# Allegro board 1155001-Timing_board_V3_20241024_1805_pcb.brd (continued)
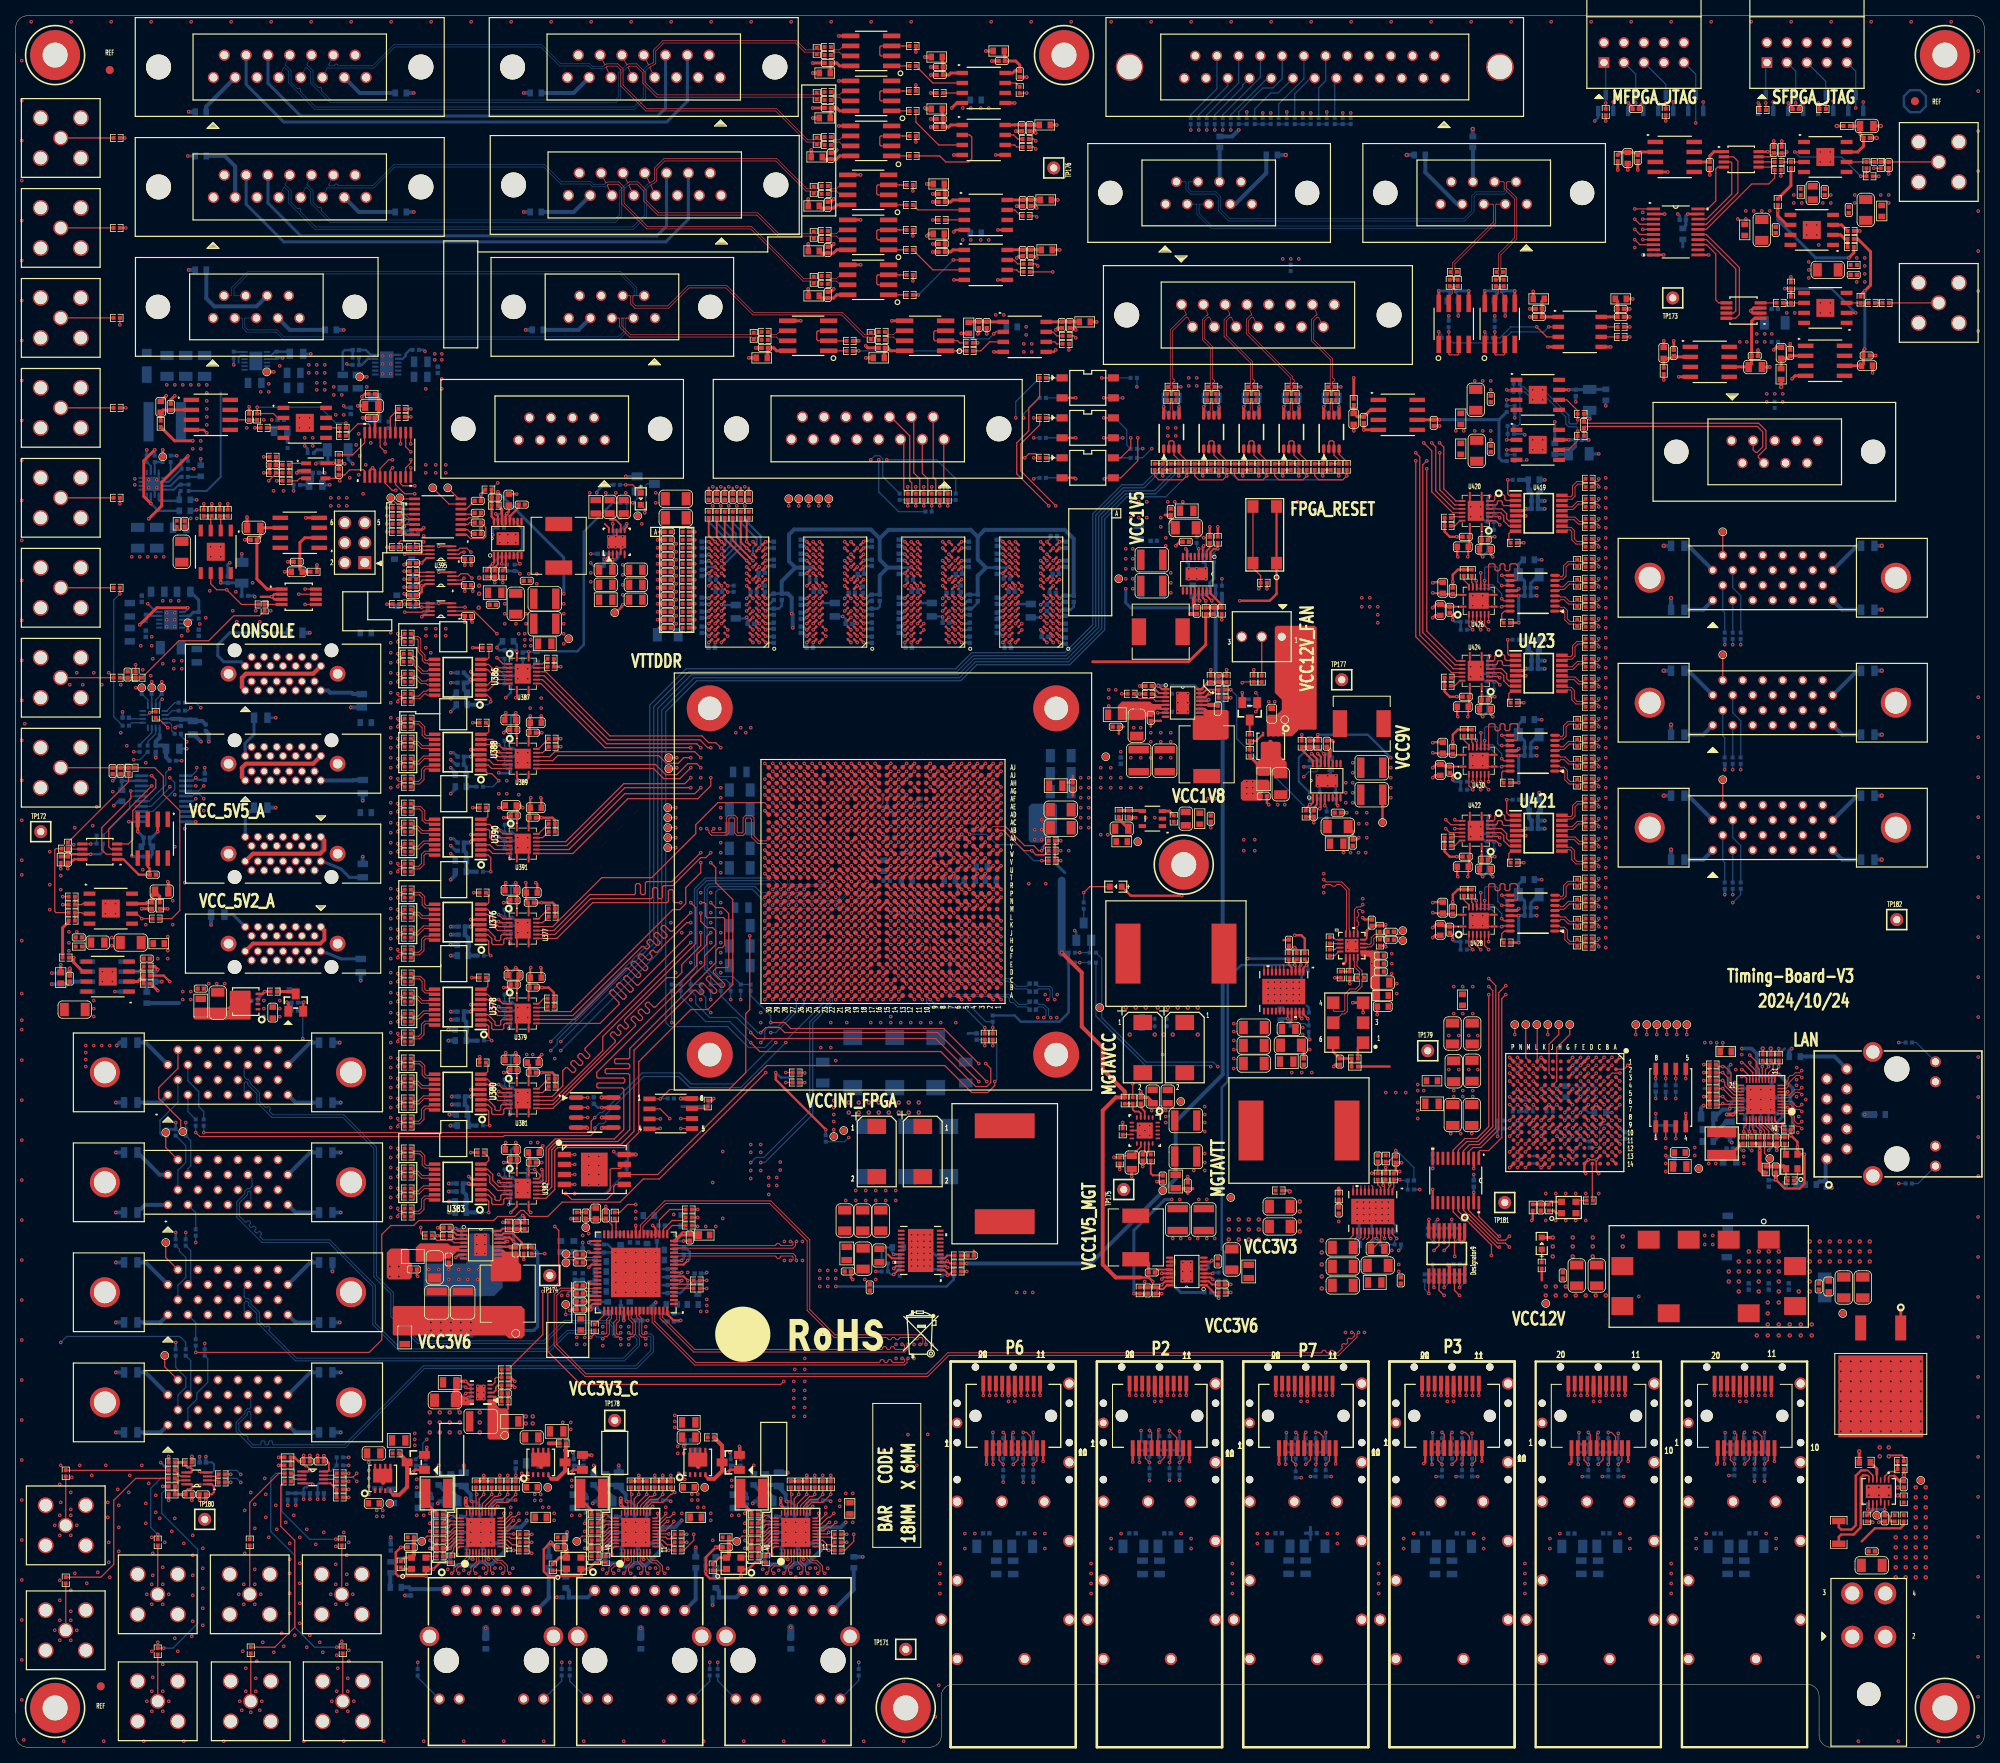
[diagram p0: board, top side]
## Routing (per net, layer and track width the routed paths; a pad name or vN(x,y) marks a point on that pad's centre or on a via; arc(x,y) is an arc through that point) (continued)
  ART10 w0.102: v1(100.14,114) 100.14,113.7 100.04,113.6 99.76,113.6 99.54,113.38 99.54,110.84 99.46,110.77 99.46,110.63 98.79,109.95 94.74,109.95
RF_FPS_TRIGGER_1_P: length 145.8
  TOP w0.122: U247.V25 v1(100.14,113)
  ART10 w0.099: 94.74,109.6 91.61,106.46 76.54,106.46 67.21,97.13 61.3,97.13 59.27,95.11 59.27,93.71 57.17,91.61 54.62,91.61 50.51,87.49 50.51,79.11 48.91,77.51 47.13,77.51 46.44,76.82 46.44,51.9 45.58,51.04 45.58,50.9 46.16,50.33 46.16,49.9 45.68,49.42 45.25,49.42 44.68,50 44.54,50 44.26,49.72 44.26,49.58 44.81,49.02 44.81,48.6 44.33,48.11 43.91,48.11 43.35,48.67 43.21,48.67 42.71,48.17 40.64,48.17 40.54,48.07 40.54,46.08 40.24,45.78 39.56,45.78 39.26,46.08 39.26,48.07 39.16,48.17 38.76,48.17 38.66,48.07 38.66,46.08 38.36,45.78 37.68,45.78 37.38,46.08 37.38,48.07 37.28,48.17 36.89,48.17 36.79,48.07 36.79,46.08 36.49,45.78 35.81,45.78 35.51,46.08 35.51,48.07 35.41,48.17 28.08,48.17 27.01,47.1 27.01,46.09 25.67,44.75 25.4,44.75 25.3,44.65 25.3,44.17 25.68,43.79 J62.6
  ART10 w0.102: v1(100.14,113) 100.14,113.3 100.04,113.4 99.84,113.4 99.74,113.3 99.74,110.84 99.81,110.77 99.81,110.48 98.93,109.6 94.74,109.6
RF_FPS_TRIGGER_2_N: length 121.3
  TOP w0.122: U247.N26 v1(100.14,107)
  ART08 w0.099: J73.19 25.68,74.24 25.08,73.65 25.08,73.42 25.31,73.19 25.54,73.19 26.67,74.32 26.67,75.21 27.5,76.03 28.98,76.03 arc(29.03,76.05) 29.05,76.1 arc(29.07,76.15) 29.11,76.16 29.38,76.16 arc(29.42,76.15) 29.44,76.1 arc(29.46,76.05) 29.51,76.03 29.78,76.03 arc(29.82,76.05) 29.84,76.1 arc(29.86,76.15) 29.9,76.16 30.17,76.16 arc(30.22,76.15) 30.24,76.1 arc(30.26,76.05) 30.3,76.03 34.98,76.03 35.28,75.74 35.28,74.4 35.4,74.27 35.77,74.27 35.87,74.37 35.87,75.74 36.17,76.03 36.85,76.03 37.15,75.74 37.15,74.4 37.28,74.27 37.65,74.27 37.75,74.37 37.75,75.74 38.05,76.03 38.75,76.03 40.27,74.51 41.83,74.51 41.93,74.61 41.93,76.03 42.23,76.33 42.91,76.33 43.21,76.03 43.21,74.61 43.31,74.51 43.71,74.51 43.81,74.61 43.81,76.03 44.11,76.33 44.79,76.33 45.09,76.03 45.09,74.61 45.19,74.51 48.94,74.51 49.04,74.61 49.04,76.03 49.34,76.33 50.02,76.33 50.32,76.03 50.32,74.61 50.42,74.51 50.82,74.51 50.91,74.61 50.91,76.03 51.21,76.33 51.89,76.33 52.19,76.03 52.19,74.61 52.29,74.51 54.59,74.51 61.24,81.15 65.05,81.15 65.79,81.89 65.79,84.07 74.55,92.84 88.41,92.84 88.77,93.2 88.77,97.03 90.42,98.68 90.42,100.22 90.72,100.52 90.88,100.52 90.97,100.62 90.97,101.02 90.88,101.12 90.72,101.12 90.42,101.42 90.42,102.29 90.72,102.59 90.88,102.59 90.97,102.68 90.97,103.08 90.88,103.18 90.72,103.18 90.42,103.48 90.42,104.37 92.73,106.68 94.5,106.68 94.58,106.6
  ART08 w0.102: v1(100.14,107) 100.43,107 100.54,106.9 100.54,106.7 100.43,106.6 94.58,106.6
RF_FPS_TRIGGER_2_P: length 121.6
  TOP w0.122: U247.N25 v1(101.14,107)
  ART08 w0.099: 94.58,106.4 94.52,106.34 92.88,106.34 90.77,104.23 90.77,103.62 90.87,103.52 91.02,103.52 91.32,103.22 91.32,102.54 91.02,102.24 90.87,102.24 90.77,102.14 90.77,101.56 90.87,101.46 91.02,101.46 91.32,101.16 91.32,100.48 91.02,100.18 90.87,100.18 90.77,100.08 90.77,98.54 89.12,96.89 89.12,93.06 88.55,92.49 74.69,92.49 66.13,83.93 66.13,81.75 65.19,80.81 61.38,80.81 54.74,74.17 52.15,74.17 51.85,74.47 51.85,75.89 51.75,75.98 51.36,75.98 51.26,75.89 51.26,74.47 50.96,74.17 50.28,74.17 49.98,74.47 49.98,75.89 49.88,75.98 49.48,75.98 49.38,75.89 49.38,74.47 49.08,74.17 45.04,74.17 44.74,74.47 44.74,75.89 44.64,75.98 44.25,75.98 44.15,75.89 44.15,74.47 43.85,74.17 43.17,74.17 42.87,74.47 42.87,75.89 42.77,75.98 42.37,75.98 42.27,75.89 42.27,74.47 41.98,74.17 40.13,74.17 38.61,75.69 38.19,75.69 38.09,75.59 38.09,74.23 37.79,73.93 37.13,73.93 36.81,74.25 36.81,75.59 36.71,75.69 36.31,75.69 36.21,75.59 36.21,74.23 35.92,73.93 35.26,73.93 34.93,74.25 34.93,75.59 34.84,75.69 27.64,75.69 27.01,75.07 27.01,74.18 25.68,72.84 25.42,72.84 25.3,72.72 25.3,71.93 25.68,71.55 J73.6
  ART08 w0.102: 94.58,106.4 100.52,106.4 100.74,106.62 100.74,106.9 100.84,107 v1(101.14,107)
RF_FPS_TRIGGER_3_N: length 101.6
  TOP w0.122: U247.AK30 v1(95.14,125)
  ART10 w0.099: v1(95.14,125) 95.37,125 95.47,124.9 95.47,124.53 92.44,121.5 88.12,121.5 86.85,120.23 74,120.23 66.17,112.39 63.52,112.39 57.77,106.64 56.37,106.64 52.05,102.32 46.06,102.32 40.48,96.75 40.48,96.32 41.37,95.43 41.37,95.29 41.09,95.01 40.95,95.01 40.06,95.9 39.64,95.9 39.16,95.42 39.16,94.99 40.05,94.11 40.05,93.97 39.76,93.69 39.62,93.69 38.74,94.57 38.31,94.57 37.83,94.09 37.83,93.67 38.72,92.78 38.72,92.64 38.44,92.36 38.3,92.36 37.41,93.25 36.99,93.25 36.5,92.77 36.5,92.34 37.39,91.45 37.39,91.31 37.11,91.03 36.97,91.03 36.08,91.92 35.66,91.92 35.31,91.57 29.21,91.57 28.32,90.68 28.18,90.68 28.09,90.78 27.95,90.78 27.81,90.64 27.81,90.5 27.9,90.4 27.9,90.26 27.76,90.12 27.62,90.12 27.53,90.22 27.39,90.22 27.25,90.08 27.25,89.94 27.34,89.84 27.34,89.7 26.8,89.15 26.8,88.27 25.53,87 25.4,87 25.3,87.1 25.3,87.63 25.68,88.01 J74.19
RF_FPS_TRIGGER_3_P: length 101.6
  TOP w0.122: U247.AK29 v1(96.14,125)
  ART10 w0.099: J74.6 25.68,85.52 25.3,85.9 25.3,86.56 25.4,86.66 25.67,86.66 27.14,88.12 27.14,89.01 29.35,91.22 35.45,91.22 35.8,91.58 35.94,91.58 36.83,90.69 37.25,90.69 37.74,91.17 37.74,91.6 36.85,92.48 36.85,92.62 37.13,92.9 37.27,92.9 38.16,92.02 38.58,92.02 39.06,92.5 39.06,92.92 38.17,93.81 38.17,93.95 38.45,94.23 38.59,94.23 39.48,93.34 39.91,93.34 40.39,93.82 40.39,94.25 39.5,95.14 39.5,95.28 39.78,95.56 39.92,95.56 40.81,94.67 41.23,94.67 41.71,95.15 41.71,95.57 40.83,96.46 40.83,96.6 46.21,101.98 52.2,101.98 56.52,106.3 57.91,106.3 63.67,112.05 66.31,112.05 74.15,119.89 87,119.89 88.27,121.16 92.58,121.16 95.81,124.39 95.81,124.9 95.91,125 v1(96.14,125)
RF_FPS_TRIGGER_4_N: length 125.3
  TOP w0.122: U247.L27 v1(98.14,105)
  ART08 w0.099: J94.19 25.27,60.26 25.27,58.98 25.37,58.88 25.62,58.88 25.74,59.01 25.74,59.42 26.92,60.6 26.92,61.66 28.98,63.72 51.96,63.72 52.32,64.08 52.32,65.91 53.47,67.06 55.78,67.06 56.54,67.82 58.19,67.82 63.5,73.13 63.92,73.13 64.53,72.52 64.67,72.52 64.95,72.8 64.95,72.94 64.34,73.55 64.34,73.97 66.17,75.79 66.59,75.79 67.49,74.9 67.63,74.9 68.56,75.83 68.56,75.97 67.48,77.05 67.48,77.47 67.96,77.95 68.38,77.95 69.46,76.87 69.6,76.87 69.88,77.15 69.88,77.29 68.8,78.37 68.8,78.8 69.29,79.28 69.71,79.28 70.03,78.96 70.17,78.96 70.45,79.24 70.45,79.38 70.13,79.7 70.13,80.12 70.61,80.6 71.04,80.6 71.35,80.29 71.49,80.29 72.07,80.86 88.28,80.86 93.27,85.85 93.27,87.41 96.84,90.97 96.84,94.08 97.14,94.38 98.2,94.38 98.49,94.08 98.49,91.58 98.59,91.48 98.99,91.48 99.09,91.58 99.09,94.08 99.39,94.38 100.08,94.38 100.18,94.48 100.28,94.48 100.29,94.5
  ART08 w0.102: 100.29,94.5 100.54,94.74 100.54,104.25 100.39,104.4 98.77,104.4 98.54,104.63 98.54,104.9 98.43,105 v1(98.14,105)
RF_FPS_TRIGGER_4_P: length 125.6
  TOP w0.122: U247.L26 v1(99.14,105)
  ART08 w0.099: J94.6 25.27,57.26 25.27,58.39 25.42,58.54 25.76,58.54 26.09,58.86 26.09,59.28 27.27,60.46 27.27,61.52 29.12,63.37 52.1,63.37 52.67,63.94 52.67,65.77 53.61,66.71 55.92,66.71 56.68,67.48 58.33,67.48 63.64,72.78 63.78,72.78 64.39,72.18 64.81,72.18 65.29,72.66 65.29,73.08 64.69,73.69 64.69,73.83 66.31,75.45 66.45,75.45 67.34,74.56 67.77,74.56 68.9,75.69 68.9,76.11 67.82,77.19 67.82,77.33 68.1,77.61 68.24,77.61 69.32,76.53 69.74,76.53 70.22,77.01 70.22,77.44 69.15,78.51 69.15,78.65 69.43,78.94 69.57,78.94 69.88,78.62 70.31,78.62 70.79,79.1 70.79,79.52 70.47,79.84 70.47,79.98 70.75,80.26 70.89,80.26 71.21,79.94 71.64,79.94 72.21,80.52 88.42,80.52 93.61,85.71 93.61,87.26 97.18,90.83 97.18,93.94 97.28,94.04 98.05,94.04 98.15,93.94 98.15,91.43 98.45,91.14 99.13,91.14 99.43,91.43 99.43,93.94 99.53,94.04 100.22,94.04 100.42,94.24 100.42,94.34 100.44,94.36
  ART08 w0.102: 100.44,94.36 100.74,94.66 100.74,104.37 100.5,104.6 98.85,104.6 98.74,104.71 98.74,104.9 98.84,105 v1(99.14,105)
RF_FPS_TRIGGER_5_N: length 31.5
  TOP w0.122: v1(201.04,145.92) 201.04,145.7 200.92,145.58 200.51,145.58 R3306.1
  ART08 w0.099: v1(201.04,145.92) 201.38,145.59 202.37,145.59 202.56,145.77 202.77,145.77 202.95,145.59 203.26,145.59 204.19,144.65 204.85,144.65 204.95,144.75 204.95,145.39 205.25,145.69 205.93,145.69 206.23,145.39 206.23,144.75 206.33,144.65 206.72,144.65 206.82,144.75 206.82,145.39 207.12,145.69 207.8,145.69 208.1,145.39 208.1,144.75 208.2,144.65 218.82,144.65 219.24,145.07 219.24,146.19 220.38,147.34 220.38,147.97 221.4,148.99 221.4,149.31 221.85,149.76 222.13,149.76 222.28,149.91 222.28,151.04 J112.19
RF_FPS_TRIGGER_5_P: length 31.5
  TOP w0.122: v1(201.04,144.91) 201.04,145.13 200.92,145.25 200.51,145.25 R3305.1
  ART08 w0.099: J112.6 222.28,148.04 222.28,149.32 222.18,149.42 222,149.42 221.74,149.17 221.74,148.84 220.73,147.83 220.73,147.19 219.58,146.05 219.58,144.93 218.96,144.31 208.06,144.31 207.76,144.61 207.76,145.25 207.66,145.35 207.26,145.35 207.17,145.25 207.17,144.61 206.87,144.31 206.18,144.31 205.89,144.61 205.89,145.25 205.79,145.35 205.39,145.35 205.29,145.25 205.29,144.61 204.99,144.31 204.05,144.31 203.12,145.24 201.38,145.24 v1(201.04,144.91)
RF_FPS_TRIGGER_5_P_S: length 8.1
  TOP w0.157: U425.14 189,145.65 v1(188.72,145.92) ; U426.12 v1(186.05,149.22)
  BOTTOM w0.157: v1(188.72,145.92) 188.72,146.56 187.58,147.7 186.44,147.7 186.05,148.09 v1(186.05,149.22)
RF_FPS_TRIGGER_5_P_S_C: length 162.5
  TOP w0.157: U247.AH24 v1(101.14,123) ; U426.5 v1(186.05,143)
  ART05 w0.117: v1(186.05,143) 185.21,143.84 182.04,143.84 180.34,145.54 177.78,145.54 177.67,145.66 177.67,146.06 177.55,146.18 177.32,146.18 177.2,146.06 177.2,145.15 177.08,145.03 176.85,145.03 176.73,145.15 176.73,146.44 176.61,146.56 176.38,146.56 176.26,146.44 176.26,145.15 176.15,145.03 175.91,145.03 175.8,145.15 175.8,146.44 175.68,146.56 167.39,146.56 156.72,157.23 138.43,157.23 136.64,159.02 129.59,159.02 128.76,158.18 85.72,158.18 83.06,155.52 83.06,154.03 82.55,153.53 82.55,139.68 85.73,136.5 91.95,136.5 101.73,126.73 101.73,123.98 101.14,123.39 v1(101.14,123)
RF_FPS_TRIGGER_6_N: length 36
  TOP w0.122: v1(201.04,105.28) 201.04,105.06 200.92,104.94 200.51,104.94 R3314.1
  ART08 w0.099: v1(201.04,105.28) 201.38,104.95 202.29,104.95 202.47,105.13 202.69,105.13 202.87,104.95 203.95,104.95 204.05,105.05 204.05,106.02 204.35,106.32 205.03,106.32 205.33,106.02 205.33,105.05 205.43,104.95 205.83,104.95 205.93,105.05 205.93,106.02 206.23,106.32 206.91,106.32 207.21,106.02 207.21,105.05 207.31,104.95 211.27,104.95 219.24,112.92 219.24,114.44 220.38,115.59 220.38,116.22 221.4,117.24 221.4,117.56 221.85,118.01 222.13,118.01 222.28,118.16 222.28,119.29 J113.19
RF_FPS_TRIGGER_6_P: length 36
  TOP w0.122: R3313.1 200.51,104.61 200.92,104.61 201.04,104.49 v1(201.04,104.27)
  ART08 w0.099: J113.6 222.28,116.29 222.28,117.57 222.18,117.67 222,117.67 221.74,117.42 221.74,117.09 220.73,116.08 220.73,115.44 219.58,114.3 219.58,112.78 211.41,104.6 207.16,104.6 206.86,104.9 206.86,105.88 206.76,105.98 206.37,105.98 206.27,105.88 206.27,104.9 205.97,104.6 205.29,104.6 204.99,104.9 204.99,105.88 204.89,105.98 204.49,105.98 204.39,105.88 204.39,104.9 204.09,104.6 201.38,104.6 v1(201.04,104.27)
RF_FPS_TRIGGER_6_P_S: length 8.1
  TOP w0.157: U427.14 189,105.01 v1(188.72,105.28) ; U428.12 v1(186.05,108.58)
  BOTTOM w0.157: v1(188.72,105.28) 188.72,105.92 187.58,107.06 186.31,107.06 186.05,107.32 v1(186.05,108.58)
RF_FPS_TRIGGER_6_P_S_C: length 192.9
  TOP w0.157: U428.5 v1(186.05,102.36)
  TOP w0.254: v1(100.14,121) U247.AF25
  ART03 w0.117: v1(100.14,121) 99.67,121.47 99.67,125.22 99.19,125.7 91.72,125.7 89.28,128.14 86.69,128.14 84.33,130.51 84.33,135.13 85.78,136.58 85.78,153.72 86,153.95 86.51,153.95 87.4,154.84 133.16,154.84 136.54,151.46 142.24,151.46 143.54,150.16 170.64,150.16 177.57,143.23 177.57,141.16 179.32,139.41 179.32,109.09 181.21,107.2 181.21,107.03 180.81,106.63 180.81,106.46 180.98,106.3 181.14,106.3 181.54,106.7 181.71,106.7 181.88,106.54 181.88,106.37 181.47,105.97 181.47,105.8 181.64,105.64 181.8,105.64 182.21,106.04 182.37,106.04 182.54,105.88 182.54,105.71 182.13,105.31 182.13,105.14 182.3,104.98 182.46,104.98 182.87,105.38 183.03,105.38 v1(186.05,102.36)
RF_FPS_TRIGGER_7_N: length 32.1
  TOP w0.122: v1(201.04,125.6) 201.04,125.38 200.92,125.26 200.51,125.26 R3322.1
  ART08 w0.099: J114.19 222.28,135.17 222.28,134.04 222.13,133.89 221.85,133.89 221.4,133.43 221.4,133.11 220.38,132.1 220.38,131.46 219.24,130.32 219.24,129.2 215.31,125.27 205.2,125.27 205.1,125.37 205.1,126.55 204.8,126.85 204.12,126.85 203.82,126.55 203.82,125.37 203.72,125.27 202.85,125.27 202.67,125.45 202.45,125.45 202.27,125.27 201.38,125.27 v1(201.04,125.6)
RF_FPS_TRIGGER_7_P: length 32
  TOP w0.122: v1(201.04,124.59) 201.04,124.81 200.92,124.93 200.51,124.93 R3321.1
  ART08 w0.099: J114.6 222.28,132.16 222.28,133.45 222.18,133.54 222,133.54 221.74,133.29 221.74,132.97 220.73,131.95 220.73,131.32 219.58,130.18 219.58,129.05 215.45,124.92 205.06,124.92 204.76,125.22 204.76,126.41 204.66,126.5 204.26,126.5 204.16,126.41 204.16,125.22 203.86,124.92 201.38,124.92 v1(201.04,124.59)
RF_FPS_TRIGGER_7_P_S: length 8.1
  TOP w0.157: U430.12 186.08,127.1 v1(186.08,128.9) ; U429.14 189,125.33 v1(188.72,125.6)
  BOTTOM w0.157: v1(186.08,128.9) 186.08,127.74 186.44,127.38 187.58,127.38 188.72,126.24 v1(188.72,125.6)
RF_FPS_TRIGGER_7_P_S_C: length 168
  TOP w0.157: U430.5 v1(186.05,122.68) ; U247.AJ21 v1(104.14,124)
  ART05 w0.117: v1(186.05,122.68) 183.13,125.6 183.13,126.55 183.02,126.67 182.23,126.67 182.12,126.78 182.12,127.02 182.23,127.14 183.02,127.14 183.13,127.25 183.13,129.54 182.76,129.92 182.59,129.92 182.37,129.7 182.21,129.7 182.04,129.87 182.04,130.03 182.26,130.25 182.26,130.41 157.1,155.57 138.56,155.57 135.97,158.17 130.35,158.17 129.06,156.88 85.81,156.88 84.07,155.14 84.07,153.8 83.44,153.16 83.44,140.07 86.03,137.48 92.19,137.48 103.63,126.04 103.63,124.51 v1(104.14,124)
RF_MOD_IN_ANALOG_S: length 29.3
  TOP w0.157: R3025.2 v1(13.23,180.72) ; R3026.2 v1(31.5,163.96)
  ART03 w0.117: v1(13.23,180.72) 13.23,176.51 21.21,168.53 26.92,168.53 v1(31.5,163.96)
RF_MOD_IN_FIXED_1_N: length 150.9
  TOP w0.122: U247.W22 v1(103.14,114)
  ART10 w0.099: 94.64,106.4 94.61,106.4 94.54,106.33 94.32,106.33 92,104.01 78.34,104.01 63.17,88.85 62.03,88.85 60.27,87.09 60.27,80.24 52.86,72.82 52.86,64.95 51.9,63.99 51.9,58.4 49.15,55.65 49.15,42.57 44.35,37.76 25.25,37.76 23.24,39.77 23.24,41.73 24.41,42.9 24.68,42.9 24.79,43.01 24.79,43.66 24.41,44.04 J62.18
  ART10 w0.102: 94.64,106.4 106.5,106.4 106.74,106.63 106.74,114.3 106.44,114.6 103.78,114.6 103.56,114.38 103.56,114.1 103.45,114 v1(103.14,114)
RF_MOD_IN_FIXED_1_P: length 151.1
  TOP w0.122: U247.W21 v1(104.14,114)
  ART10 w0.099: 94.64,106.6 94.58,106.6 94.51,106.67 94.17,106.67 91.86,104.36 78.19,104.36 63.03,89.19 61.89,89.19 59.93,87.24 59.93,80.38 52.51,72.96 52.51,65.09 51.56,64.14 51.56,58.55 48.81,55.79 48.81,42.71 44.2,38.11 29.29,38.11 29.19,38.21 29.19,38.44 29.09,38.54 28.89,38.54 28.79,38.44 28.79,38.21 28.7,38.11 28.5,38.11 28.4,38.21 28.4,38.46 28.3,38.56 28.1,38.56 28,38.46 28,38.21 27.9,38.11 27.7,38.11 27.61,38.21 27.61,38.46 27.51,38.56 27.31,38.56 27.21,38.46 27.21,38.21 27.11,38.11 26.91,38.11 26.81,38.21 26.81,38.46 26.71,38.56 26.52,38.56 26.42,38.46 26.42,38.21 26.32,38.11 25.39,38.11 23.58,39.92 23.58,41.59 24.55,42.56 24.69,42.56 24.79,42.46 24.79,41.94 24.41,41.55 J62.5
  ART10 w0.102: v1(104.14,114) 103.86,114 103.76,114.1 103.76,114.3 103.86,114.4 106.35,114.4 106.54,114.21 106.54,106.72 106.42,106.6 94.64,106.6
RF_MOD_IN_FIXED_2_N: length 117
  TOP w0.122: U247.L28 v1(98.14,106)
  ART08 w0.099: 94.64,102.4 94.61,102.4 94.54,102.33 94.15,102.33 93.23,101.41 93.23,97.7 91.66,96.12 91.66,86.58 89.26,84.18 71.71,84.18 66.14,78.61 63.12,78.61 61.49,76.98 61.49,74.93 61.09,74.52 60.66,74.52 60.26,74.93 60.12,74.93 59.84,74.64 59.84,74.51 60.24,74.1 60.24,73.68 59.4,72.83 59.4,71.61 57.55,69.76 56.81,69.76 56.51,70.06 56.51,72.35 56.42,72.45 56.02,72.45 55.92,72.35 55.92,70.06 55.62,69.76 53.76,69.76 52.11,68.11 50.56,68.11 47.92,65.47 26.02,65.47 23.11,68.37 23.11,69.55 24.38,70.82 24.63,70.82 24.79,70.97 24.79,71.48 24.41,71.86 J73.18
  ART08 w0.102: 94.64,102.4 97.44,102.4 97.74,102.7 97.74,105.9 97.84,106 v1(98.14,106)
RF_MOD_IN_FIXED_2_P: length 117.6
  TOP w0.122: U247.M28 v1(97.14,106)
  ART08 w0.099: 94.64,102.6 94.61,102.6 94.54,102.67 94.01,102.67 92.89,101.55 92.89,97.84 91.31,96.27 91.31,86.72 89.12,84.52 71.57,84.52 66,78.96 62.98,78.96 61.15,77.13 61.15,75.07 60.95,74.87 60.81,74.87 60.4,75.27 59.98,75.27 59.5,74.79 59.5,74.36 59.9,73.96 59.9,73.82 59.05,72.98 59.05,71.75 57.4,70.1 56.96,70.1 56.86,70.2 56.86,72.5 56.56,72.8 55.88,72.8 55.58,72.5 55.58,70.2 55.48,70.1 53.62,70.1 51.97,68.45 50.42,68.45 47.78,65.81 46.59,65.81 arc(46.45,65.87) 46.4,66.01 46.4,66.02 arc(46.2,66.22) 46,66.02 46,66.01 arc(45.8,65.81) 45.6,66.01 45.6,66.02 arc(45.41,66.22) 45.21,66.02 45.21,66.01 arc(45.15,65.87) 45.01,65.81 26.16,65.81 25.35,66.63 25.35,66.77 25.52,66.94 25.52,67.08 25.38,67.22 25.24,67.22 25.07,67.05 24.93,67.05 24.79,67.19 24.79,67.33 24.96,67.5 24.96,67.64 24.82,67.78 24.68,67.78 24.51,67.61 24.37,67.61 23.46,68.52 23.46,69.41 24.52,70.47 24.69,70.47 24.87,70.3 24.87,69.98 24.41,69.52 J73.5
  ART08 w0.102: 94.64,102.6 97.35,102.6 97.54,102.79 97.54,105.9 97.43,106 v1(97.14,106)
RF_MOD_IN_FIXED_3_N: length 108.2
  TOP w0.122: U247.AD26 v1(99.14,118)
  ART10 w0.099: 94.64,118.33 91,118.33 89.93,117.26 81.3,117.26 65.38,101.35 60.45,101.35 56.81,97.7 52.21,97.7 50.9,96.39 46.61,96.39 43.23,93.01 43.23,92.87 43.8,92.3 43.8,91.88 43.32,91.4 42.89,91.4 42.32,91.97 42.18,91.97 41.9,91.69 41.9,91.55 42.47,90.98 42.47,90.55 41.99,90.07 41.57,90.07 41,90.64 40.86,90.64 40.26,90.04 40.26,83.44 36.52,79.7 25.61,79.7 23.03,82.28 23.03,83.45 24.41,84.84 24.68,84.84 24.79,84.94 24.79,85.45 24.41,85.83 J74.18
  ART10 w0.102: 94.64,118.33 94.66,118.33 94.73,118.4 99.43,118.4 99.54,118.3 99.54,118.1 99.43,118 v1(99.14,118)
RF_MOD_IN_FIXED_3_P: length 108.5
  TOP w0.122: U247.AC26 v1(100.14,118)
  ART10 w0.099: 94.64,118.67 94.61,118.67 94.61,118.67 94.5,118.67 94.49,118.67 90.86,118.67 89.79,117.6 81.15,117.6 65.24,101.69 60.31,101.69 56.66,98.04 52.07,98.04 50.76,96.74 46.47,96.74 42.89,93.16 42.89,92.73 43.46,92.16 43.46,92.02 43.17,91.74 43.03,91.74 42.47,92.31 42.04,92.31 41.56,91.83 41.56,91.4 42.13,90.84 42.13,90.7 41.85,90.41 41.71,90.41 41.14,90.98 40.71,90.98 39.92,90.19 39.92,83.58 36.38,80.04 28.71,80.04 28.61,80.14 28.61,80.27 28.51,80.37 28.31,80.37 28.21,80.27 28.21,80.14 28.12,80.04 27.92,80.04 27.82,80.14 27.82,80.27 27.72,80.37 27.52,80.37 27.42,80.27 27.42,80.14 27.32,80.04 27.12,80.04 27.03,80.14 27.03,80.27 26.93,80.37 26.73,80.37 26.63,80.27 26.63,80.14 26.53,80.04 25.75,80.04 23.37,82.42 23.37,83.31 24.55,84.49 24.69,84.49 24.79,84.4 24.79,83.87 24.41,83.49 J74.5
  ART10 w0.102: 94.64,118.67 94.66,118.67 94.73,118.6 99.52,118.6 99.74,118.38 99.74,118.1 99.84,118 v1(100.14,118)
RF_MOD_IN_FIXED_4_N: length 133.6
  TOP w0.122: U247.N20 v1(106.14,108)
  ART08 w0.099: 102.47,92.33 102.47,92.3 102.47,92.18 102.47,92.18 102.47,91.82 96.99,86.35 96.99,84.86 92.24,80.1 91.04,80.1 88.76,77.81 74.28,77.81 71.35,74.88 70.29,74.88 68.36,72.95 68.36,72.17 66.42,70.23 65.91,70.23 63.5,67.82 63.5,67.31 61.98,65.79 58.04,65.79 53.72,61.47 51.18,61.47 49.91,60.2 49.91,59.44 42.55,52.07 35.11,52.07 35.02,52.17 35.02,53.45 34.72,53.75 34.06,53.75 33.74,53.42 33.74,52.17 33.64,52.07 33.24,52.07 33.14,52.17 33.14,53.45 32.84,53.75 32.19,53.75 31.86,53.42 31.86,52.17 31.76,52.07 31.37,52.07 31.27,52.17 31.27,53.45 30.97,53.75 30.31,53.75 29.99,53.42 29.99,52.17 29.89,52.07 29.49,52.07 29.39,52.17 29.39,53.45 29.09,53.75 28.44,53.75 28.11,53.42 28.11,52.17 28.01,52.07 27.53,52.07 25.78,53.82 25.78,55.37 24.81,56.34 24.81,56.66 24.51,56.96 24.23,56.96 24.13,57.06 24.13,58.49 J94.18
  ART08 w0.102: v1(106.14,108) 106.14,107.7 106.04,107.6 102.89,107.6 102.54,107.25 102.54,94.47 102.47,94.4 102.47,92.33
RF_MOD_IN_FIXED_4_P: length 133.7
  TOP w0.122: U247.N19 v1(106.14,107)
  ART08 w0.099: J94.5 24.13,55.23 24.13,56.52 24.23,56.61 24.37,56.61 24.47,56.52 24.47,56.2 25.44,55.23 25.44,53.68 27.39,51.73 28.16,51.73 28.46,52.03 28.46,53.28 28.58,53.4 28.95,53.4 29.05,53.3 29.05,52.03 29.35,51.73 30.03,51.73 30.33,52.03 30.33,53.28 30.45,53.4 30.82,53.4 30.92,53.3 30.92,52.03 31.22,51.73 31.9,51.73 32.2,52.03 32.2,53.28 32.33,53.4 32.7,53.4 32.8,53.3 32.8,52.03 33.1,51.73 33.78,51.73 34.08,52.03 34.08,53.28 34.2,53.4 34.57,53.4 34.67,53.3 34.67,52.03 34.97,51.73 42.69,51.73 50.25,59.29 50.25,60.06 51.32,61.13 53.86,61.13 58.18,65.44 62.12,65.44 63.84,67.17 63.84,67.68 66.06,69.89 66.56,69.89 68.71,72.03 68.71,72.81 70.44,74.54 71.49,74.54 74.42,77.47 88.9,77.47 91.19,79.76 92.38,79.76 97.34,84.71 97.34,86.21 102.81,91.68 102.81,92.33
  ART08 w0.102: v1(106.14,107) 106.14,107.3 106.04,107.4 102.97,107.4 102.74,107.17 102.74,94.47 102.81,94.4 102.81,92.33
RF_MOD_IN_FIXED_5_N: length 30.7
  TOP w0.122: R3307.1 200.51,147.79 200.92,147.79 201.04,147.67 v1(201.04,147.45)
  ART10 w0.099: J112.18 221.01,149.14 221.01,147.89 220.91,147.79 220.66,147.79 219.11,146.24 219.11,145.23 218.2,144.32 218,144.32 217.9,144.42 217.9,144.45 217.8,144.55 217.6,144.55 217.5,144.45 217.5,144.42 217.4,144.32 217.21,144.32 217.11,144.42 217.11,144.45 217.01,144.55 216.81,144.55 216.71,144.45 216.71,144.42 216.61,144.32 216.41,144.32 216.31,144.42 216.31,144.45 216.21,144.55 216.02,144.55 215.92,144.45 215.92,144.42 215.82,144.32 215.62,144.32 215.52,144.42 215.52,144.45 215.42,144.55 215.22,144.55 215.13,144.45 215.13,144.42 215.03,144.32 200.95,144.32 200.53,144.73 200.53,147.74 200.63,147.83 200.94,147.83 201.04,147.74 v1(201.04,147.45)
RF_MOD_IN_FIXED_5_P: length 30.7
  TOP w0.122: R3308.1 200.51,148.12 200.92,148.12 201.04,148.24 v1(201.04,148.46)
  ART10 w0.099: v1(201.04,148.46) 201.04,148.28 200.94,148.18 200.49,148.18 200.19,147.88 200.19,144.59 200.8,143.97 218.34,143.97 219.46,145.08 219.46,146.1 220.8,147.44 220.91,147.44 221.01,147.34 221.01,146.14 J112.5
RF_MOD_IN_FIXED_5_P_S: length 7.7
  TOP w0.157: U425.11 v1(188.72,147.6) ; U426.11 v1(186.55,148.21)
  BOTTOM w0.157: v1(186.55,148.21) 186.55,149.83 186.71,149.99 188.06,149.99 188.21,149.83 188.21,148.11 v1(188.72,147.6)
RF_MOD_IN_FIXED_5_P_S_C: length 159.7
  TOP w0.157: v1(187.05,141.99) 186.55,142.49 U426.6 ; U247.AJ24 v1(101.14,124)
  ART05 w0.117: v1(187.05,141.99) 186.49,142.55 186.49,143.46 185.8,144.15 183.64,144.15 181.86,145.92 178.31,145.92 177.29,146.94 167.51,146.94 156.84,157.61 138.56,157.61 136.83,159.33 129.46,159.33 128.62,158.5 85.6,158.5 82.76,155.65 82.76,154.15 82.25,153.64 82.25,139.57 85.62,136.19 91.84,136.19 100.71,127.33 100.71,124.43 v1(101.14,124)
RF_MOD_IN_FIXED_6_N: length 35.2
  TOP w0.122: R3316.1 200.51,107.15 200.92,107.15 201.04,107.03 v1(201.04,106.81)
  ART10 w0.099: v1(201.04,106.81) 200.85,107 200.49,107 200.19,107.3 200.19,108.46 200.49,108.76 205.95,108.76 206.05,108.86 206.05,109.76 206.35,110.06 207.03,110.06 207.33,109.76 207.33,108.86 207.43,108.76 207.82,108.76 207.92,108.86 207.92,109.76 208.22,110.06 208.9,110.06 209.2,109.76 209.2,108.86 209.3,108.76 216.09,108.76 219.11,111.78 219.11,114.49 220.66,116.04 220.91,116.04 221.01,116.14 221.01,117.39 J113.18
RF_MOD_IN_FIXED_6_P: length 35.2
  TOP w0.122: R3315.1 200.51,107.48 200.92,107.48 201.04,107.6 v1(201.04,107.82)
  ART10 w0.099: J113.5 221.01,114.39 221.01,115.59 220.91,115.69 220.8,115.69 219.46,114.35 219.46,111.63 216.24,108.41 209.16,108.41 208.86,108.71 208.86,109.62 208.76,109.72 208.36,109.72 208.27,109.62 208.27,108.71 207.97,108.41 207.29,108.41 206.99,108.71 206.99,109.62 206.89,109.72 206.49,109.72 206.39,109.62 206.39,108.71 206.09,108.41 204.58,108.41 204.48,108.31 204.48,108.25 204.39,108.15 204.19,108.15 204.09,108.25 204.09,108.31 203.99,108.41 203.79,108.41 203.69,108.31 203.69,108.25 203.59,108.15 203.39,108.15 203.3,108.25 203.3,108.31 203.2,108.41 203,108.41 202.9,108.31 202.9,108.25 202.8,108.15 202.6,108.15 202.5,108.25 202.5,108.31 202.4,108.41 200.63,108.41 200.53,108.31 200.53,107.44 200.63,107.34 200.94,107.34 201.04,107.44 v1(201.04,107.82)
RF_MOD_IN_FIXED_6_P_S: length 7.7
  TOP w0.157: U427.11 v1(188.72,106.96) ; U428.11 v1(186.55,107.57)
  BOTTOM w0.157: v1(188.72,106.96) 188.22,107.47 188.22,109.19 188.06,109.35 186.71,109.35 186.55,109.19 v1(186.55,107.57)
RF_MOD_IN_FIXED_6_P_S_C: length 193
  TOP w0.157: v1(187.05,101.35) 186.55,101.85 U428.6 ; U247.AK23 v1(102.14,125)
  ART03 w0.117: v1(187.05,101.35) 187.05,101.07 186.44,100.46 181.74,100.46 178.95,103.25 178.95,103.41 179.42,103.88 179.42,104.05 179.25,104.21 179.08,104.21 178.61,103.74 178.45,103.74 178.21,103.99 178.21,104.15 178.93,104.88 178.93,105.04 178.76,105.21 178.6,105.21 177.87,104.48 177.71,104.48 177.54,104.65 177.54,104.82 178.27,105.54 178.27,105.7 177.95,106.02 177.95,138.96 176.17,140.74 176.17,142.6 171.07,147.7 147.7,147.7 146.94,148.46 142.75,148.46 142.24,148.97 137.41,148.97 132.72,153.67 87.95,153.67 87.59,153.31 87.59,136.36 85.63,134.4 85.63,130.93 87.02,129.54 89.79,129.54 92.43,126.9 100.24,126.9 v1(102.14,125)
